# Altium PCB uz_per_voltage_measurement.PcbDoc (part 2 of 2)
Units mm, origin at the board's own origin, x right, y up, seen from the top; angles counter-clockwise.
Board outline 160 x 100 mm, 4 copper layers (Top Layer, GND, VCC+, 2V5_OCM), stack 1.744 mm thick; 257 components, 128 nets, 629 pads, 223 vias.
Unrouted connection lines stored in the file: 1.
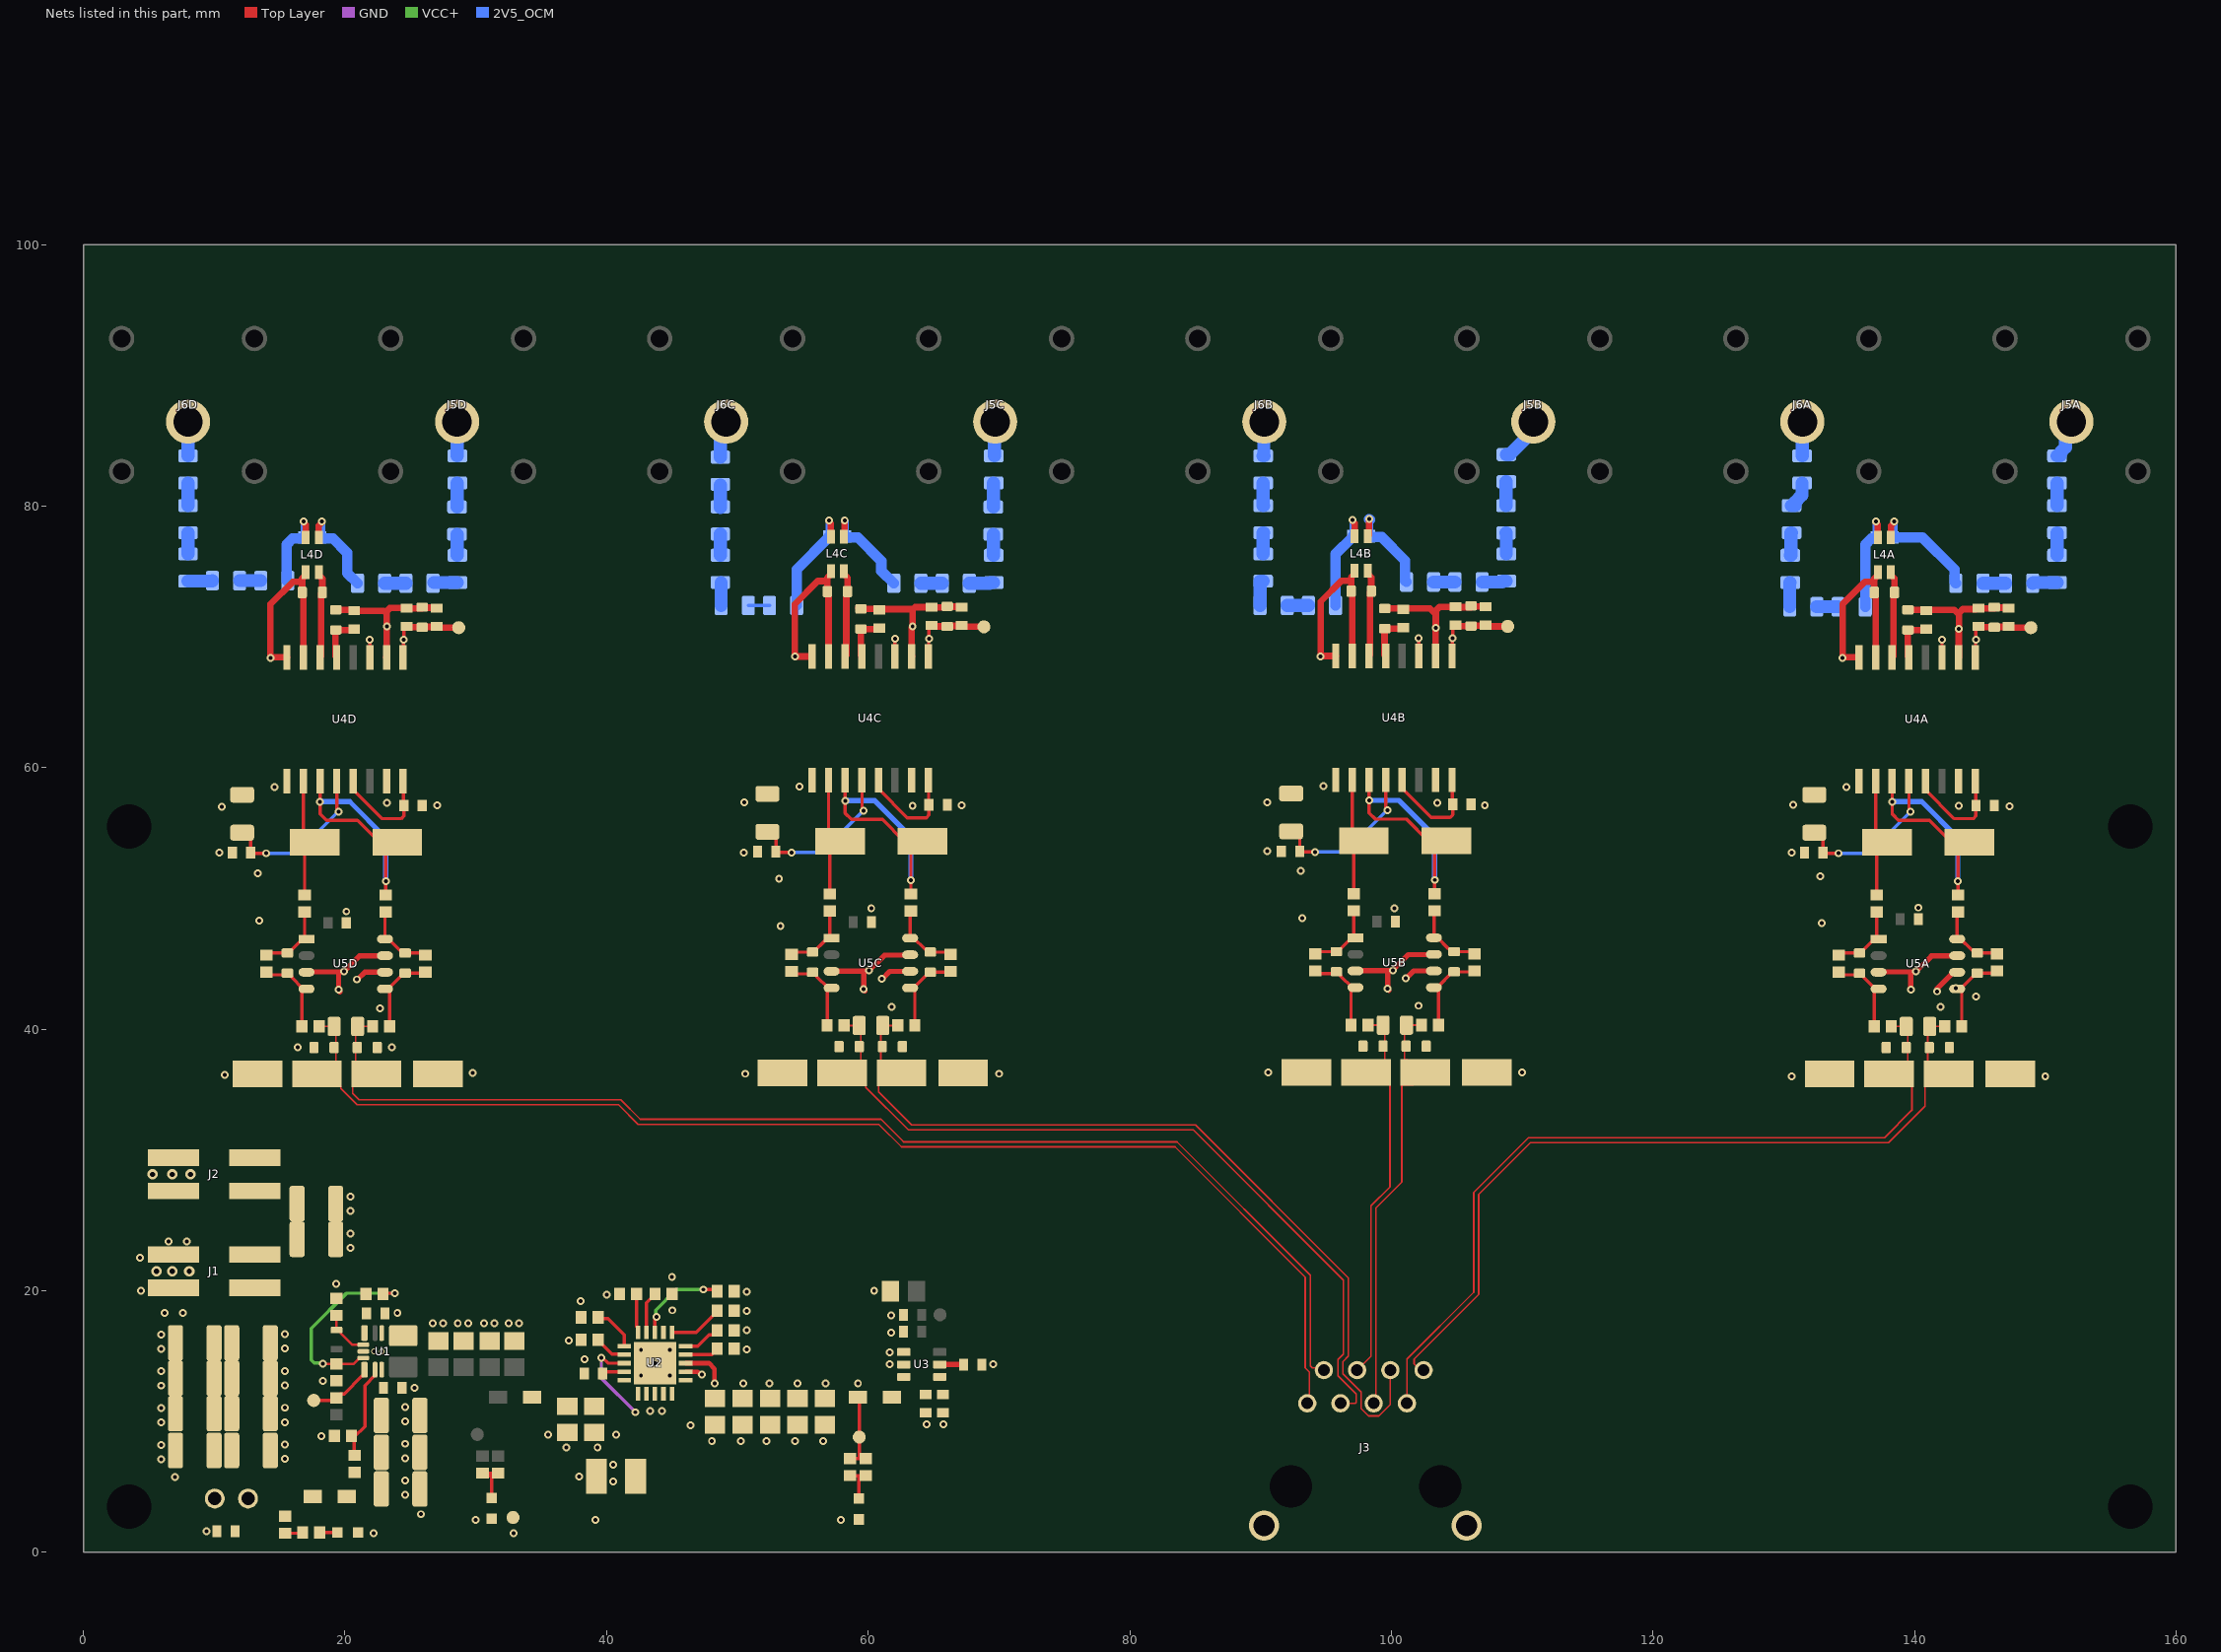
[diagram p4: the nets of this part, all layers, seen from the top]

## Via types
v1: diameter 0.6, hole 0.3, Top Layer to 2V5_OCM, 209 vias
v2: diameter 0.8, hole 0.4, Top Layer to 2V5_OCM, tented both sides, 6 vias
v3: diameter 0.6, hole 0.3, Top Layer to 2V5_OCM, tented both sides, 3 vias
v4: diameter 1/1/1/1 (per signal layer), hole 0.5, Top Layer to 2V5_OCM, 3 vias
v5: diameter 0.45, hole 0.3, Top Layer to 2V5_OCM, 2 vias

## Nets (pads, with @x,y where several pads share a name; then routed paths per layer and width w, separated by ;. In a path a pad name is that pad's centre, name@x,y a point inside that pad or via, vN(x,y) a via of type N, cw(c..) or ccw(c..) an arc to the next point about the centre after c; other vN are vias at no path point) (continued)
GND: C1.2 C2.2 C3.2 C4.2 C5.1 C6.1 C7.1 C8.1 C9.1 C10.1 C11.1 C12.1 C13.2 C14.1 C15.1 C16.1 C17.1 C18.1 C19.1 C20.1 C21.1 C22.1 C23.1 C24.1 C25.2 C26.2 C27.2 C28.2 C29.2 C30.2 C31.2 C32.2 C33.2 C34.2 C35.2 C36A.1 C36B.1 C36C.1 C36D.1 C37A.1 C37B.1 C37C.1 C37D.1 C38A.2 C38B.2 C38C.2 C38D.2 C42A.1 C42B.1 C42C.1 C42D.1 C43A.2 C43B.2 C43C.2 C43D.2 C48A.2 C48B.2 C48C.2 C48D.2 D1.1 D2.1 D3.1 GND1.1 J1.1 J1.2 J2.1 J2.2 J3.S1 J3.S2 J4.2 R2.2 R5.1 R6.2 R8.2 R9.1 R10.1 R11.1 R12.2 R14.1 R15.1 R16.1 TP1A.1 TP1B.1 TP1C.1 TP1D.1 TP2A.1 TP2B.1 TP2C.1 TP2D.1 U1.10 U2.2 U2.7 U2.17 U2.18 U2.19 U2.21 U3.1 U3.2 U4A.9 U4A.15 U4B.9 U4B.15 U4C.9 U4C.15 U4D.9 U4D.15 U5A.6 U5B.6 U5C.6 U5D.6 | length 10.8
  Top Layer w0.35: U2.2@46.052,13.814 46.975,13.814 47.19,13.599 v3(47.299,13.599)
  Top Layer w0.4: v1(20.9,43.8) 20.954,43.8 21.508,44.354 U5D.6@23.059,44.354 ; v1(61.05,43.868) 61.104,43.868 61.658,44.423 U5C.6@63.209,44.423 ; v1(101.1,43.9) 101.154,43.9 101.708,44.454 U5B.6@103.259,44.454 ; v1(141.714,42.893) 141.753,42.931 141.753,43.126 142.98,44.354 U5A.6@143.259,44.354
  other v1: 22.181,1.457 32.908,1.47 9.4,1.6 30.008,2.47 39.149,2.479 57.908,2.47 25.817,2.911 24.617,4.386 40.517,5.411 24.617,5.486 7.008,5.77 37.9,5.8 40.517,6.711 5.932,7.108 15.402,7.139 24.617,7.199 36.917,8.011 39.317,8.011 5.932,8.208 15.402,8.239 24.617,8.299 48.06,8.5 50.26,8.5 52.239,8.5 54.399,8.5 56.56,8.5 18.2,8.9 35.517,9.011 40.717,9.011 46.417,9.711 64.46,9.8 65.76,9.8 5.932,9.933 15.402,9.951 24.617,10.011 43.339,10.811 44.239,10.811 5.932,11.033 15.402,11.051 24.617,11.111 25.308,12.57 5.932,12.746 15.402,12.764 18.317,13.111 42.635,13.533 44.835,13.533 5.932,13.846 15.402,13.864 61.66,14.4 69.56,14.4 43.714,14.456 38.308,14.77 61.66,15.3 42.635,15.483 44.835,15.483 50.717,15.511 5.932,15.558 15.402,15.589 37.117,16.211 5.932,16.658 15.402,16.689 61.76,16.8 50.717,16.978 26.717,17.511 27.517,17.511 28.617,17.511 29.417,17.511 30.617,17.511 31.417,17.511 32.517,17.511 33.317,17.511 61.76,18.1 6.217,18.311 7.617,18.311 24.017,18.311 50.717,18.444 45.017,18.511 38.017,19.211 40.017,19.711 50.717,19.911 4.417,20.011 60.46,20 19.317,20.511 45.008,21.07 4.317,22.511 20.402,23.289 6.504,23.786 7.904,23.786 20.402,24.389 20.402,26.101 20.402,27.201 130.6,36.4 150,36.4 10.817,36.511 50.6,36.6 70,36.6 29.765,36.66 90.6,36.7 110,36.7 16.4,38.6 23.6,38.6 22.685,41.611 61.8,41.7 142,41.7 102.1,41.8 144.7,42.5 53.3,47.9 132.9,48.1 13.43,48.311 93.2,48.5 20.1,49 60.235,49.241 100.235,49.241 140.299,49.3 53.187,51.5 132.787,51.7 13.317,51.911 93.087,52.1 10.4,53.5 50.5,53.5 130.6,53.5 90.5,53.6 10.6,57 147.253,57.036 63.4,57.1 143.4,57.1 27.053,57.136 67.153,57.136 107.153,57.136 130.716,57.149 23.2,57.3 103.5,57.3 50.516,57.349 90.516,57.349 14.6,58.5 134.8,58.5 54.75,58.568 94.8,58.6
  other v2: 5.6,21.5 6.8,21.5 8.1,21.5 5.3,28.9 6.8,28.9 8.2,28.9
  other v5: 22.239,15.364 22.812,15.364
HGNDA: C40A.1 C41A.1 C44A.1 C45A.1 C47A.1 C49A.2 L4A.2 U4A.2 U4A.7 U4A.8 | length 26.6
  Top Layer w0.5: U4A.8@135.755,68.434 134.561,68.434 134.527,68.4 v1(134.5,68.4) 134.5,72.5 136.2,74.2 136.93,74.2 ; C49A.2@136.93,73.4 136.93,74.2 ; U4A.7@137.025,68.434 137.028,68.437 137.028,73.397 C49A.2@137.025,73.4 ; L4A.2@137.2,74.95 137.2,74.725 136.93,74.455 136.93,74.2 ; C47A.1@139.4,72.07 143.03,72.07 143.4,71.7 v1(143.4,70.6) 143.388,70.588 143.388,68.447 U4A.2@143.375,68.434 ; 143.4,71.826 143.693,72.119 144.7,72.119 144.7,72.17 C40A.1@146.1,72.17 ; C40A.1@146.1,72.27 146.135,72.235 147.165,72.235 C41A.1@147.2,72.2
HGNDB: C40B.1 C41B.1 C44B.1 C45B.1 C47B.1 C49B.2 L4B.2 U4B.2 U4B.7 U4B.8 | length 26.6
  Top Layer w0.5: U4B.8@95.755,68.534 94.661,68.534 94.627,68.5 v1(94.6,68.5) 94.6,72.7 96.2,74.3 96.93,74.3 ; C49B.2@96.93,73.5 96.93,74.3 ; U4B.7@97.025,68.534 97.027,68.537 97.027,73.497 C49B.2@97.025,73.5 ; L4B.2@97.2,75.05 97.2,74.825 96.93,74.555 96.93,74.3 ; C47B.1@99.4,72.17 102.949,72.17 103.4,71.719 ; U4B.2@103.375,68.534 103.387,68.547 103.387,70.688 v1(103.4,70.7) 103.4,71.719 ; C40B.1@106.1,72.27 104.7,72.27 104.7,72.3 103.693,72.3 103.4,72.007 103.4,71.719 ; C40B.1@106.1,72.37 106.135,72.335 107.165,72.335 C41B.1@107.2,72.3
HGNDC: C40C.1 C41C.1 C44C.1 C45C.1 C47C.1 C49C.2 L4C.2 U4C.2 U4C.7 U4C.8 | length 26.8
  Top Layer w0.5: U4C.8@55.705,68.503 55.702,68.5 v1(54.4,68.5) 54.4,72.518 56.15,74.268 56.88,74.268 ; C49C.2@56.88,73.468 56.88,74.268 ; U4C.7@56.975,68.503 56.977,68.505 56.977,73.466 C49C.2@56.975,73.468 ; L4C.2@57.15,75.018 57.15,74.793 56.88,74.523 56.88,74.268 ; C47C.1@59.278,72.21 59.35,72.138 60.75,72.138 60.772,72.116 63.384,72.116 63.4,72.1 63.4,70.773 63.325,70.698 63.325,68.553 U4C.2@63.35,68.528 ; 63.4,72.073 63.595,72.268 64.65,72.268 64.65,72.238 C40C.1@66.05,72.238 ; C40C.1@66.05,72.338 66.085,72.303 67.115,72.303 C41C.1@67.15,72.268
  other v1: 63.4,70.8
HGNDD: C40D.1 C41D.1 C44D.1 C45D.1 C47D.1 C49D.2 L4D.2 U4D.2 U4D.7 U4D.8 | length 26.9
  Top Layer w0.5: U4D.8@15.555,68.434 14.361,68.434 14.327,68.4 v1(14.3,68.4) 14.3,72.5 16,74.2 16.73,74.2 ; C49D.2@16.73,73.4 16.73,74.2 ; U4D.7@16.825,68.434 16.827,68.437 16.827,73.397 C49D.2@16.825,73.4 ; L4D.2@17,74.95 17,74.725 16.73,74.455 16.73,74.2 ; C47D.1@19.128,72.142 19.2,72.07 20.6,72.07 20.67,72 22.973,72 23.2,71.773 ; U4D.2@23.175,68.434 23.187,68.447 23.187,70.788 v1(23.2,70.8) 23.2,71.773 ; C40D.1@25.9,72.17 24.5,72.17 24.5,72.2 23.427,72.2 23.2,71.973 23.2,71.773 ; C40D.1@25.9,72.27 25.935,72.235 26.965,72.235 C41D.1@27,72.2
I1_OUT_N: C46A.1 C48A.1 J3.A8 OUT_N1A.1 R31A.2 | length 61.2
  Top Layer w0.127: J3.A8@102.556,13.602 101.743,14.415 101.743,14.79 106.681,19.728 106.681,27.372 110.639,31.33 138.005,31.33 140.8,34.125 140.8,35.634 141.648,35.634 OUT_N1A.1@142.599,36.585 ; OUT_N1A.1@141.433,37.357 141.254,37.537 141.014,37.537 141.014,40.188 141.037,40.211 R31A.2@142.317,40.211
I1_OUT_P: C42A.2 C46A.2 J3.A7 OUT_P1A.1 R28A.2 | length 63.7
  Top Layer w0.127: J3.A7@101.195,11.392 101.195,14.781 106.3,19.886 106.3,27.53 110.481,31.711 137.711,31.711 139.8,33.8 139.8,35.714 138.929,36.585 OUT_P1A.1@138.509,36.585 ; OUT_P1A.1@138.057,36.585 138.329,36.585 OUT_P1A.1@138.509,36.585 ; R28A.2@138.217,40.211 139.497,40.211 139.497,38.6 139.497,37.537 138.546,36.585 OUT_P1A.1@138.509,36.585
I2_OUT_N: C46B.1 C48B.1 J3.A5 OUT_N1B.1 R31B.2 | length 32.4
  Top Layer w0.127: J3.A5@98.655,11.392 98.822,11.56 98.822,26.332 100.8,28.309 OUT_N1B.1@100.8,35.734 ; 100.8,35.197 OUT_N1B.1@100.8,35.734 ; OUT_N1B.1@101.433,37.457 101.254,37.637 101.014,37.637 101.014,38.451 101.014,40.288 101.037,40.311 R31B.2@102.317,40.311 ; OUT_N1B.1@102.599,36.685 101.648,35.734 OUT_N1B.1@100.8,35.734
I2_OUT_P: C42B.2 C46B.2 J3.A4 OUT_P1B.1 R28B.2 | length 30.6
  Top Layer w0.127: J3.A4@97.385,13.932 98.441,14.989 98.441,26.489 99.894,27.942 OUT_P1B.1@99.894,35.734 ; OUT_P1B.1@98.057,36.685 98.329,36.685 OUT_P1B.1@98.509,36.685 ; R28B.2@98.217,40.311 99.497,40.311 99.497,38.7 99.497,37.637 98.546,36.685 OUT_P1B.1@98.509,36.685 ; 99.88,35.578 99.88,35.734 98.929,36.685 OUT_P1B.1@98.509,36.685
I3_OUT_N: C46C.1 C48C.1 J3.A6 OUT_N1C.1 R31C.2 | length 65.1
  Top Layer w0.127: OUT_N1C.1@61.383,37.426 61.203,37.605 60.963,37.605 60.963,40.256 60.987,40.279 R31C.2@62.267,40.279 ; OUT_N1C.1@62.549,36.654 61.598,35.702 60.8,35.702 60.8,35.2 63.321,32.679 85.021,32.679 96.725,20.975 96.725,15 96.3,14.575 96.3,13.655 97.692,12.263 97.692,10.993 98.256,10.429 99.054,10.429 99.925,11.3 J3.A6@99.925,13.932
I3_OUT_P: C42C.2 C46C.2 J3.A3 OUT_P1C.1 R28C.2 | length 61.7
  Top Layer w0.127: OUT_P1C.1@58.007,36.654 OUT_P1C.1@58.459,36.654 ; R28C.2@58.167,40.279 59.447,40.279 59.447,37.605 58.495,36.654 OUT_P1C.1@58.459,36.654 ; J3.A3@96.115,11.392 97.236,11.392 97.311,11.467 97.311,12.106 95.919,13.497 95.919,14.733 96.344,15.157 96.344,20.818 84.863,32.298 63.078,32.298 59.83,35.546 59.83,35.702 58.878,36.654 OUT_P1C.1@58.459,36.654
I4_OUT_N: C46D.1 C48D.1 J3.A2 OUT_N1D.1 R31D.2 | length 94.6
  Top Layer w0.127: OUT_N1D.1@21.233,37.357 21.054,37.537 20.814,37.537 20.814,40.188 20.837,40.211 R31D.2@22.117,40.211 ; OUT_N1D.1@22.399,36.585 21.448,35.634 20.6,35.634 20.6,35.097 21.086,34.611 41.078,34.611 42.578,33.111 60.978,33.111 62.709,31.38 83.62,31.38 93.8,21.2 93.8,14.264 93.955,14.11 94.504,14.11 J3.A2@95.012,13.602
I4_OUT_P: C42D.2 C46D.2 J3.A1 OUT_P1D.1 R28D.2 | length 97.5
  Top Layer w0.127: OUT_P1D.1@17.857,36.585 OUT_P1D.1@18.309,36.585 ; R28D.2@18.017,40.211 19.297,40.211 19.297,37.537 18.346,36.585 OUT_P1D.1@18.309,36.585 ; J3.A1@93.742,11.062 93.742,13.783 93.419,14.107 93.419,21.042 83.462,30.999 62.551,30.999 60.82,32.73 42.42,32.73 40.92,34.23 20.928,34.23 19.68,35.478 19.68,35.634 18.729,36.585 OUT_P1D.1@18.309,36.585
INA_P: C49A.1 L4A.3 U4A.6 | length 6.7
  Top Layer w0.5: L4A.3@138.2,74.95 138.2,74.725 138.47,74.455 C49A.1@138.47,73.4 138.383,73.312 138.383,68.522 U4A.6@138.295,68.434
INB_P: C49B.1 L4B.3 U4B.6 | length 6.7
  Top Layer w0.5: L4B.3@98.2,75.05 98.2,74.825 98.47,74.555 C49B.1@98.47,73.5 98.383,73.412 98.383,68.622 U4B.6@98.295,68.534
INC_P: C49C.1 L4C.3 U4C.6 | length 6.7
  Top Layer w0.5: L4C.3@58.15,75.018 58.15,74.793 58.42,74.523 C49C.1@58.42,73.468 58.332,73.381 58.332,68.59 U4C.6@58.245,68.503
IND_P: C49D.1 L4D.3 U4D.6 | length 6.7
  Top Layer w0.5: L4D.3@18,74.95 18,74.725 18.27,74.455 C49D.1@18.27,73.4 18.183,73.312 18.183,68.522 U4D.6@18.095,68.434
NetC1_1: C1.1 R3.2 U1.8
NetC2_1: C2.1 C3.1 C4.1 C5.2 L1.2 R1.2 U1.3
NetC13_1: C13.1 U2.14 | length 1.7
  Top Layer w0.254: C13.1@39.702,13.664 39.852,13.814 U2.14@41.352,13.814
NetC22_2: C22.2 U3.5 | length 1.9
  Top Layer w0.4: U3.5@65.412,14.364 C22.2@67.302,14.364
NetC23_2: C23.2 C24.2 L3.2 U3.3 U3.4
NetC40A_2: C40A.2 C41A.2 C44A.2 TP3A.1 U4A.1 U4A.3 | length 7.7
  Top Layer w0.254: v1(142.1,69.8) 142.103,69.797 142.103,68.437 U4A.3@142.105,68.434 ; U4A.1@144.645,68.434 144.673,68.462 144.673,69.773 v1(144.7,69.8) C44A.2@144.7,70.63
  Top Layer w0.5: C44A.2@144.9,70.8 144.97,70.73 C40A.2@146.1,70.73 146.135,70.765 147.165,70.765 C41A.2@147.2,70.8 147.3,70.7 TP3A.1@148.9,70.7
NetC40B_2: C40B.2 C41B.2 C44B.2 TP3B.1 U4B.1 U4B.3 | length 7.7
  Top Layer w0.254: v1(102.1,69.9) 102.103,69.897 102.103,68.537 U4B.3@102.105,68.534 ; U4B.1@104.645,68.534 104.673,68.562 104.673,69.873 v1(104.7,69.9) C44B.2@104.7,70.73
  Top Layer w0.5: C44B.2@104.9,70.9 104.97,70.83 C40B.2@106.1,70.83 106.135,70.865 107.165,70.865 C41B.2@107.2,70.9 107.3,70.8 TP3B.1@108.9,70.8
NetC40C_2: C40C.2 C41C.2 C44C.2 TP3C.1 U4C.1 U4C.3 | length 7.7
  Top Layer w0.254: v1(62.05,69.868) 62.052,69.866 62.052,68.505 U4C.3@62.055,68.503 ; U4C.1@64.595,68.503 64.622,68.53 64.622,69.841 v1(64.65,69.868) C44C.2@64.65,70.698
  Top Layer w0.5: C44C.2@64.85,70.868 64.92,70.798 C40C.2@66.05,70.798 66.085,70.833 67.115,70.833 C41C.2@67.15,70.868 67.25,70.768 TP3C.1@68.85,70.768
NetC40D_2: C40D.2 C41D.2 C44D.2 TP3D.1 U4D.1 U4D.3 | length 7.7
  Top Layer w0.254: v1(21.9,69.8) 21.903,69.797 21.903,68.437 U4D.3@21.905,68.434 ; U4D.1@24.445,68.434 24.473,68.462 24.473,69.773 v1(24.5,69.8) C44D.2@24.5,70.63
  Top Layer w0.5: C44D.2@24.7,70.8 24.77,70.73 C40D.2@25.9,70.73 25.935,70.765 26.965,70.765 C41D.2@27,70.8 27.1,70.7 TP3D.1@28.7,70.7
NetC43A_1: C43A.1 U4A.13 U4A.16 | length 8.2
  Top Layer w0.254: U4A.13@140.835,58.966 140.835,58.308 143.043,56.1 144.5,56.1 144.7,56.3 C43A.1@144.7,57.1 ; U4A.16@144.645,58.966 144.678,58.933 C43A.1@144.678,57.1
NetC43B_1: C43B.1 U4B.13 U4B.16 | length 8.2
  Top Layer w0.254: U4B.13@100.835,59.066 100.835,58.408 103.043,56.2 104.5,56.2 104.7,56.4 C43B.1@104.7,57.2 ; U4B.16@104.645,59.066 104.678,59.033 C43B.1@104.678,57.2
NetC43C_1: C43C.1 U4C.13 U4C.16 | length 8.2
  Top Layer w0.254: U4C.13@60.785,59.034 60.785,58.376 62.993,56.168 64.45,56.168 64.65,56.368 C43C.1@64.65,57.168 ; U4C.16@64.595,59.034 64.628,59.001 C43C.1@64.628,57.168
NetC43D_1: C43D.1 U4D.13 U4D.16 | length 8.2
  Top Layer w0.254: U4D.13@20.635,58.966 20.635,58.308 22.843,56.1 24.3,56.1 24.5,56.3 C43D.1@24.5,57.1 ; U4D.16@24.445,58.966 24.478,58.933 C43D.1@24.478,57.1
NetC45A_2: C45A.2 C47A.2 U4A.5 | length 3.6
  Top Layer w0.5: U4A.5@139.565,68.434 139.482,68.517 139.482,70.447 139.4,70.53 C45A.2@140.8,70.53
NetC45B_2: C45B.2 C47B.2 U4B.5 | length 3.6
  Top Layer w0.5: U4B.5@99.565,68.534 99.482,68.617 99.482,70.547 99.4,70.63 C45B.2@100.8,70.63
NetC45C_2: C45C.2 C47C.2 U4C.5 | length 3.6
  Top Layer w0.5: U4C.5@59.515,68.503 59.432,68.585 59.432,70.516 59.35,70.598 C45C.2@60.75,70.598
NetC45D_2: C45D.2 C47D.2 U4D.5 | length 3.6
  Top Layer w0.5: U4D.5@19.365,68.434 19.282,68.517 19.282,70.447 19.2,70.53 C45D.2@20.6,70.53
NetD1_2: D1.2 R21.2 | length 1.3
  Top Layer w0.254: R21.2@18.067,1.511 D1.2@19.417,1.511
NetD2_2: D2.2 R17.2 R18.2 | length 2.9
  Top Layer w0.254: R18.2@58.617,5.861 R17.2@59.817,5.861 ; D2.2@59.287,4.111 59.287,5.836
NetD3_2: D3.2 R19.2 R20.2 | length 3.4
  Top Layer w0.254: R20.2@30.517,6.061 R19.2@31.717,6.061 ; 31.055,5.889 31.212,5.731 ; 31.117,6.061 31.117,5.826 31.212,5.731 ; D3.2@31.212,4.164 31.212,5.731
NetJ5A_1: J5A.1 R22A.2 | length 3.2
  2V5_OCM w1: R22A.2@150.9,83.84 151.15,83.84 151.15,84.09 151.546,84.486 151.546,85.997 J5A.1@152,86.452
NetJ5B_1: J5B.1 R22B.2 | length 3.5
  2V5_OCM w1: R22B.2@108.8,83.94 109.05,83.94 110.403,85.293 110.403,85.997 J5B.1@110.857,86.452
NetJ5C_1: J5C.1 R22C.2 | length 2.6
  2V5_OCM w1: R22C.2@69.657,83.84 69.657,86.394 J5C.1@69.714,86.452
NetJ5D_1: J5D.1 R22D.2 | length 2.6
  2V5_OCM w1: J5D.1@28.571,86.452 28.585,86.437 28.585,83.84 R22D.2@28.6,83.84
NetJ6A_1: J6A.1 R38A.1 | length 2.6
  2V5_OCM w1: R38A.1@131.4,83.84 131.414,83.84 131.414,86.437 J6A.1@131.429,86.452
NetJ6B_1: J6B.1 R38B.1 | length 2.7
  2V5_OCM w1: R38B.1@90.2,83.84 R38B.1@90.243,83.84 ; R38B.1@90.286,83.84 R38B.1@90.243,83.84 ; J6B.1@90.286,86.452 90.243,86.409 90.243,83.94 R38B.1@90.243,83.84
NetJ6C_1: J6C.1 R38C.1 | length 2.9
  2V5_OCM w1: R38C.1@48.7,83.74 48.7,86.009 J6C.1@49.143,86.452
NetJ6D_1: J6D.1 R38D.1 | length 2.6
  2V5_OCM w1: R38D.1@8,83.84 J6D.1@8,86.452
NetL4A_1: L4A.1 R32A.1 R34A.2 | length 8.3
  Top Layer w0.5: v1(137.05,78.832) 137.05,78.738 137.2,78.588 L4A.1@137.2,77.6
  2V5_OCM w0.5: R32A.1@137.05,77.6 v1(137.05,78.832)
  2V5_OCM w0.8: R34A.2@136.24,72.3 136.24,77.056 136.709,77.525 137.025,77.525 137.05,77.55 R32A.1@137.05,77.6
NetL4A_4: L4A.4 R26A.1 R32A.2 | length 9.4
  Top Layer w0.5: L4A.4@138.2,77.6 138.2,78.506 138.45,78.756 v1(138.45,78.832)
  2V5_OCM w0.5: R32A.2@138.45,77.706 v1(138.45,78.832)
  2V5_OCM w0.8: R32A.2@138.45,77.706 138.438,77.694 138.375,77.663 R32A.2@138.35,77.6 140.6,77.6 143.06,75.14 143.06,74.2 R26A.1@143.16,74.1
NetL4B_1: L4B.1 R32B.1 R34B.2 | length 8.4
  Top Layer w0.5: v1(97.05,78.932) 97.05,78.838 97.2,78.688 L4B.1@97.2,77.7
  2V5_OCM w0.5: R32B.1@97.05,77.7 v1(97.05,78.932)
  2V5_OCM w0.8: R34B.2@95.74,72.4 95.74,76.34 97.05,77.65 R32B.1@97.05,77.7
NetL4B_4: L4B.4 R26B.1 R32B.2 | length 7.8
  Top Layer w0.5: L4B.4@98.2,77.7 98.3,77.8 v1(98.3,79)
  2V5_OCM w0.5: R32B.2@98.35,77.7 v1@98.35,78.95
  2V5_OCM w0.8: v1(98.3,79) v1@98.35,78.95 ; R32B.2@98.35,77.651 98.375,77.626 99.274,77.626 101.06,75.84 101.06,74.3 R26B.1@101.16,74.2
NetL4C_1: L4C.1 R32C.1 R34C.2 | length 8.9
  Top Layer w0.5: v1(57,78.9) 57,78.806 57.15,78.656 L4C.1@57.15,77.668
  2V5_OCM w0.5: R32C.1@57,77.618 v1(57,78.9)
  2V5_OCM w0.8: R34C.2@54.54,72.4 54.54,75.158 57,77.618 R32C.1@57,77.668
NetL4C_4: L4C.4 R26C.1 R32C.2 | length 8.1
  Top Layer w0.5: L4C.4@58.15,77.668 58.2,77.718 v1(58.2,78.9)
  2V5_OCM w0.5: v1(58.2,78.9) 58.275,78.825 R32C.2@58.275,77.693
  2V5_OCM w0.8: R32C.2@58.275,77.693 R32C.2@58.3,77.668 ; R32C.2@58.3,77.618 58.325,77.593 59.207,77.593 61.01,75.79 61.01,75.05 R26C.1@61.96,74.1
NetL4D_1: L4D.1 R32D.1 R34D.2 | length 6.9
  Top Layer w0.5: v1(16.85,78.832) 16.85,78.738 17,78.588 L4D.1@17,77.6
  2V5_OCM w0.5: R32D.1@16.85,77.6 v1(16.85,78.832)
  2V5_OCM w0.8: R34D.2@15.534,74.3 15.534,77.056 16.003,77.525 16.825,77.525 16.85,77.55 R32D.1@16.85,77.6
NetL4D_4: L4D.4 R26D.1 R32D.2 | length 7.8
  Top Layer w0.5: L4D.4@18,77.6 18,78.506 18.25,78.756 v1(18.25,78.832)
  2V5_OCM w0.254: R32D.2@18.15,77.6 R32D.2@18.25,77.7
  2V5_OCM w0.5: R32D.2@18.25,77.7 v1(18.25,78.832)
  2V5_OCM w0.8: R32D.2@18.175,77.6 18.175,77.526 19.074,77.526 20.16,76.44 20.16,74.9 R26D.1@20.96,74.1
NetR1_1: R1.1 R2.1 U1.2 | length 7.2
  Top Layer w0.254: R1.1@20.752,7.414 20.702,7.464 20.702,8.764 20.702,8.814 21.517,9.629 21.517,12.754 22.302,13.539 U1.2@22.302,13.964